# KiCad board ardumower mega shield svn.kicad_pcb (continued)
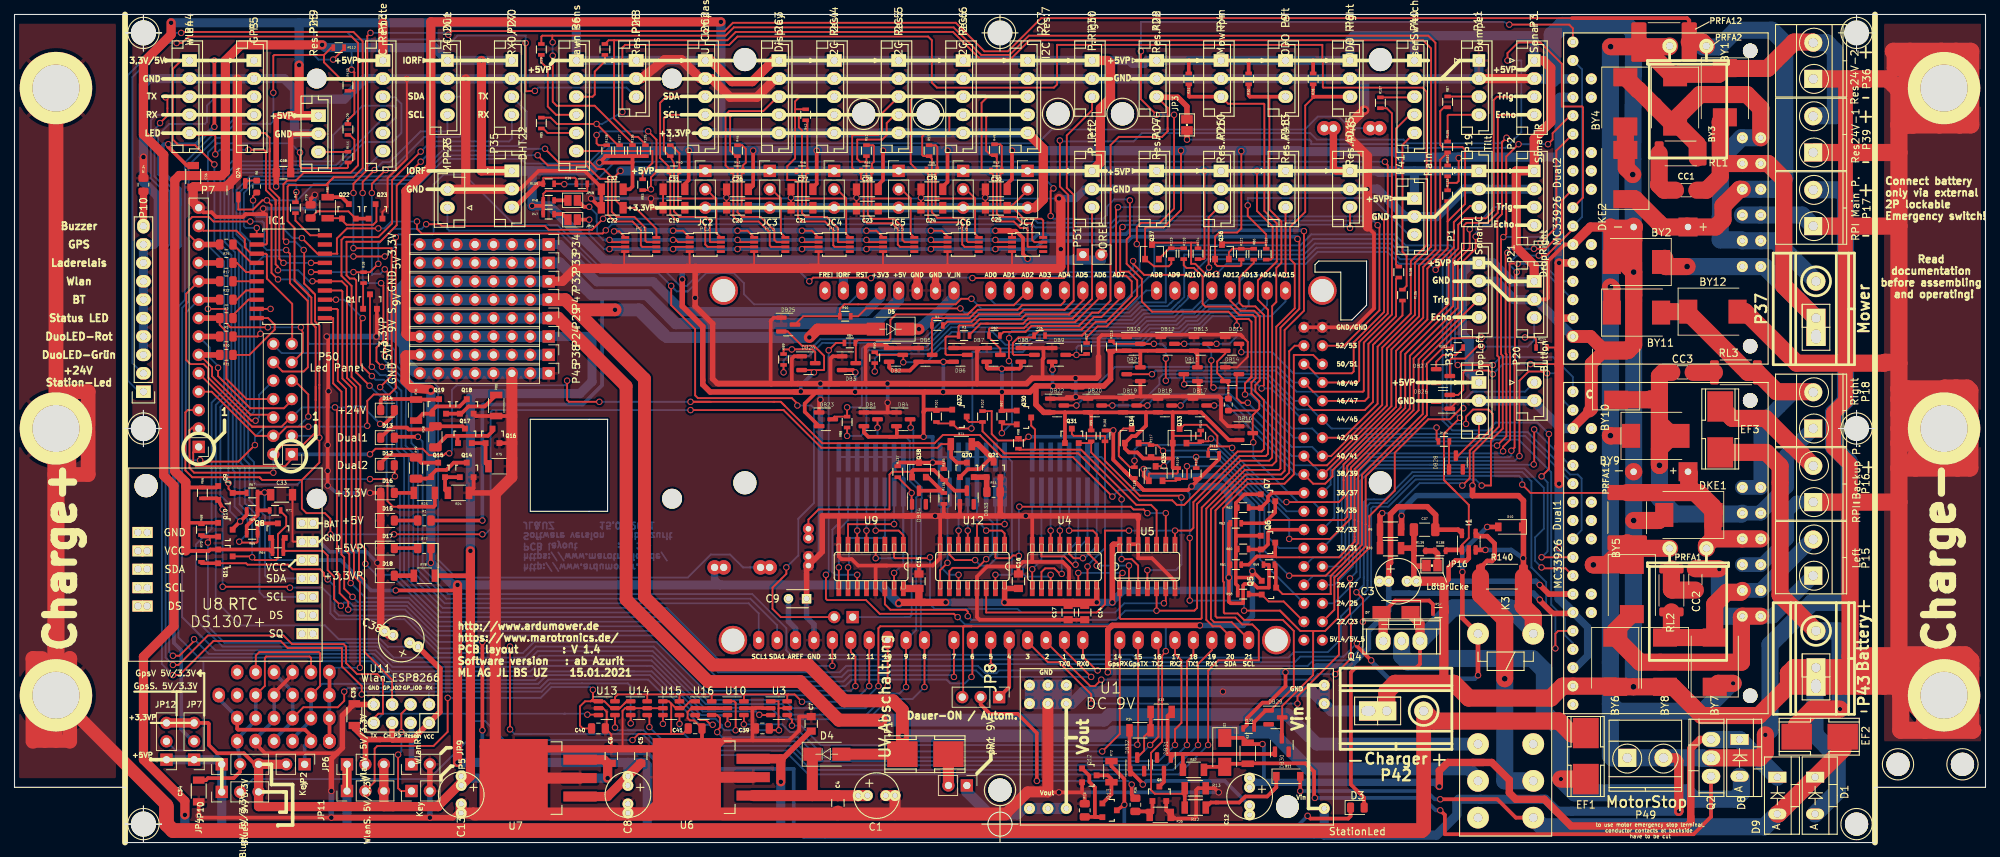
[diagram p0: board, top side]
## Routing (per net, layer and track width the routed paths; a pad name or vN(x,y) marks a point on that pad's centre or on a via; arc(x,y) is an arc through that point) (continued)
/Motortreiber/D1_M1_IN2: length 32.7
  Top w2.358: RL2.2 228.47,29.18 BY8.1 BY7.2 234.44,32.89 236.09,34.54 238,34.54 Dual1.20
  Bottom w2.032: Dual1.20 Dual1.20 247.82,41.83 P15.2
/Motortreiber/D1_M1_IN2_1: length 46
  Top w2.358: BY11.2 227.17,73.28 BY12.1 230.79,73.12 239.01,64.9 RL3.2 242.99,62.23 247.95,62.23 P18.2
  Bottom w2.032: 248.03,62.23 245.26,62.14 240.79,57.67 Dual1.24 Dual1.24
/Motortreiber/D2_M2_IN1: length 70.9
  Top w2.358: 235.2,93.73 235.2,91.95 233.3,90.04 CC1.1 ; 235.2,93.73 235.2,99.47 BY1.2 ; 235.2,93.73 Dual2.23 Dual2.23 241.81,93.73 243.97,91.57 243.97,76.84 P37.1 ; 227.56,80.64 BY2.1 227.68,79.5 v3(230.63,79.5)
  Bottom w2.358: P37.1 P37.1 241.3,79.5 Dual2.19 Dual2.19 v3(230.63,79.5)
/Motortreiber/D2_M2_IN2: length 72.1
  Top w2.358: 226.03,101.73 226.09,101.73 ; 226.09,101.73 223.9,103.91 223.84,103.91 BY4.1 ; 226.09,101.73 BY3.2 ; BY3.2 229.59,98.84 232.03,96.39 232.03,94.49 ; BY3.2 228.98,99.82 232.41,103.25 238.89,103.25 240.79,101.35 Dual2.24
  Bottom w1.778: 241.05,83.06 Dual2.20 239.01,83.06
  Bottom w2.032: 241.05,83.06 Dual2.20
  Bottom w2.358: P37.2 242.82,83.06 Dual2.20 Dual2.20 238.12,83.19 235.2,83.19 235.2,86.34 235.24,86.38 235.24,94.4 238.12,97.28 Dual2.24 Dual2.24
/Vout-: length 44
  Top w0.635: 202.18,38.23 202.18,36.74 R140.2 202.14,37.93 203.07,38.86 203.71,38.86 204.09,39.24 204.09,41.28 203.07,42.29 201.86,42.29 I1.4
  Top w2.358: R140.2 202.14,34.2 205.49,30.86 v3(205.49,22.61)
  Bottom w2.358: v3(205.49,22.61) 205.49,8.51 K3.12
Charg_Pin_+: length 409
  Top w1.778: 4.19,13.97 2.54,13.97 ; 4.19,13.97 5.71,13.97 ; 4.19,13.97 4.19,25.02 3.81,25.4 ; 5.71,13.97 7.62,13.97 ; 5.71,13.97 B11.1 5.84,20.32 20.96,5.21 20.96,4.95 ; B10.1 7.37,58.8 7.37,62.23
  Top w2.032: 2.54,13.97 2.54,25.4 3.81,25.4 ; 7.62,102.23 B9.1 B10.1 7.49,55.37 7.49,50.8 ; 20.96,4.95 20.96,2.54 21.84,1.65 194.06,1.65 194.31,1.91 P42.2 ; 7.37,62.23 10.16,62.23 10.16,50.8 7.49,50.8 ; 7.49,50.8 5.71,50.8 ; B11.1 5.71,23.5 7.62,25.4 7.62,13.97
  Top w2.358: B10.1 B11.1 ; P42.2 195.71,16.76 212.98,16.76 214.76,14.99 216.54,14.99 EF1.1
DHT22: length 11.9
  Top w0.254: R109.1 72.91,91.71 72.97,91.76 77.27,91.76 77.47,91.57 77.47,90.94 R39.2 77.34,90.93
  Top w0.635: R109.1 72.26,90.93 69.04,87.71 P35.3
DropLeft: length 6.9
  Top w0.254: 201.6,58.5 P31.3 201.93,56.26 199.06,53.39 DB28.3
DropRight: length 18.1
  Top w0.254: v1(202.31,68.45) 201.68,68.45 200.03,66.8 198.12,66.8 197.91,66.6 DB27.3
  Bottom w0.254: P21.3 209.55,69.34 208.66,68.45 v1(202.31,68.45)
Dual1: length 251.4
  Top w0.254: v1(55.63,56.01) 55.5,55.88 ; 234.19,43.69 233.68,43.18 233.3,43.18 ; PRFA11.1 222.33,48.26 209.04,48.26 v1(207.9,49.4) ; PRFA1.1 233.3,40.77
  Top w0.508: D13.2 52.5,56.01 v1(55.63,56.01)
  Top w2.358: 234.19,41.91 233.3,41.02 PRFA1.1 ; 234.19,41.91 Dual1.22 Dual1.22 ; 234.19,41.91 234.19,46.38 232.27,48.31 PRFA11.1 ; 230.89,49.12 230.89,51.05 C10.1 ; 230.89,49.12 234.41,45.59 ; 230.89,49.12 230.89,50.89 230.87,50.91
  Bottom w0.254: 187.71,46.86 187.96,46.86 ; 187.96,46.86 189.23,46.86 192.99,50.62 207.44,50.62 207.9,50.17 v1(207.9,49.4) ; 187.96,46.86 186.94,46.86 186.56,46.48 186.56,36.2 186.56,34.88 182.9,31.22 182.9,28.08 181.1,26.29 176.4,26.29 175.64,25.53 154.56,25.53 154.18,25.91 107.06,25.91 106.43,26.54 106.43,29.59 101.73,34.29 59.82,34.29 56.26,37.85 56.26,55.37 v1(55.63,56.01)
  Bottom w1.778: Dual1.22 238,41.91
Dual2: length 328.1
  Top w0.254: v1(59.82,111.51) 60.33,112.01 97.92,112.01 99.06,113.16 129.79,113.16 133.73,109.22 136.99,109.22 141.57,113.79 215.14,113.79 215.21,113.72 ; v1(49.09,111.76) 48.64,111.32 48.64,92.84 46.74,90.93 v1(46.74,89.66) ; v1(50.42,62.86) 52.01,64.45 52.01,82.04 v1(46.74,82.04) ; PRFA2.1 233.3,111 ; D12.2 52.45,51.99 v1(52.45,50.55)
  Top w0.508: 230.93,113.24 PRFA12.1 230.93,113.49 230.63,113.79 214.76,113.79
  Top w2.358: PRFA12.1 232.76,110.49 PRFA2.1 ; C11.1 230.63,85.09 ; C11.1 234.57,84.96 235.59,85.98 235.59,87.88 237.87,90.17 Dual2.22 ; C11.1 227.3,84.96 223.46,88.8 222.25,88.8
  Bottom w0.254: 243.08,90.81 242.44,90.17 Dual2.22 ; v1(59.82,111.51) 59.56,111.76 v1(49.09,111.76) ; v1(50.42,62.86) 52.07,61.21 52.07,53.85 52.45,53.47 v1(52.45,50.55) ; v1(46.74,82.04) v1(46.74,89.66)
  Bottom w2.358: 232.79,109.82 235.05,109.82 237.36,112.14 242.32,112.14 244.09,110.36 244.09,91.69 242.57,90.17 Dual2.22 ; Dual2.22 240.54,90.17
DuoLED-Rot: length 136.2
  Top w0.254: v1(129.54,22.86) SHIELD1.7 ; v1(46.36,35.81) 46.16,36 46.16,39.81 45.72,40.26 45.72,62.61 44.58,63.75 44.58,73.53 44.45,73.66 42.17,73.66 43.05,73.66
  Bottom w0.254: v1(129.54,22.86) 129.29,23.11 115.19,23.11 114.3,22.22 96.52,22.22 88.9,29.84 58.33,29.84 54.39,33.78 48.39,33.78 v1(46.36,35.81)
DuoLED_Grün: length 139.4
  Top w0.254: IC1.1 42.17,72.39 43.94,72.39 43.94,63.37 45.08,62.23 45.08,39.75 45.47,39.37 45.47,35.05 v1(46.61,33.91) ; v1(131.95,22.86) 132.08,22.99 SHIELD1.6 132.08,27.05
  Bottom w0.254: v1(46.61,33.91) 47.34,33.17 54.28,33.17 58.25,29.21 88.65,29.21 96.27,21.59 114.55,21.59 115.44,22.48 128.52,22.48 129.03,21.97 131.06,21.97 v1(131.95,22.86)
GPS-LED: length 26.4
  Top w0.254: 35.18,95.38 35.18,95.79 ; 35.18,95.38 35.18,97.28 34.51,97.95 P5.5 ; 35.18,95.38 35.18,90.3 36.51,88.96 36.51,80.58 v1(37.08,80.01) ; 42.17,80.01 v1(40.89,80.01)
  Bottom w0.254: v1(40.89,80.01) 37.34,80.01 37.08,80.26 v1(37.08,80.01)
GPS_RX: length 66.2
  Top w0.254: 155.45,27.43 SHIELD1.15 ; SHIELD1.15 154.94,13.61 v1(154.83,13.5) ; SHIELD1.15 154.94,27.43 ; v1(107.2,16.14) 107.2,16.94 U3.4
  Bottom w0.254: v1(107.2,16.14) 108.44,16.14 111.13,13.45 154.78,13.45 v1(154.83,13.5)
GPS_TX: length 70
  Top w0.254: 100.58,17.59 U10.4 100.58,16.34 v1(100.56,16.32) ; SHIELD1.14 152.4,27.43 ; SHIELD1.14 152.4,27.69 ; SHIELD1.14 152.4,14.99 v1(149.99,12.57)
  Bottom w0.254: v1(149.99,12.57) 111,12.57 108.33,15.24 106.93,15.24 105.85,16.32 v1(100.56,16.32)
  Bottom w0.508: SHIELD1.14 152.4,27.31
IOREF: length 1301.6
  Top w0.254: 119.13,90.3 119.46,90.3 ; 110.24,90.17 110.08,90.02 110.08,89.79 ; 78.98,90.67 R39.1 ; R39.1 78.98,90.54 ; R39.1 78.98,89.93 75.82,89.92 73.28,89.92 72.91,89.55 R48.1 ; 120.14,66.17 120.14,66.31 ; R115.1 163.58,56.13 159.77,56.13 159.71,56.07 Q33.1 ; R119.1 160.4,51.05 160.27,50.93 156.46,50.93 156.4,50.87 Q35.1 ; 130.68,20.07 130.81,20.19 130.81,29.72 130.94,29.84 131.95,29.84 ; 131.95,29.84 119.38,29.84 119.13,29.59 v1(119.13,21.59) ; 131.95,29.84 151.26,29.84 ; v1(169.16,95.44) 169.16,84.77 168.59,84.2 166.12,84.2 165.55,83.63 Q36.1 165.55,79.88 165.86,79.57 169.04,79.57 169.16,79.69 R121.1 ; v1(160.85,95.5) 160.85,87.31 158.43,84.9 156.02,84.9 155.9,84.78 Q37.1 157.14,79.54 159.17,79.54 159.51,79.88 R123.1 ; 46.86,103.77 46.86,100.58 45.97,99.7 R129.2 ; 46.86,103.77 46.86,106.3 v1(46.48,106.68) ; 46.86,103.77 R130.2 ; 197.61,91.06 R131.2 ; 197.61,91.06 198.88,91.06 199.14,91.31 v1(199.14,94.49) ; 197.61,91.06 R132.2 ; 101.99,83.53 101.06,84.45 v1(99.69,84.45) ; 212.66,66.23 212.47,66.04 v1(209.04,66.04) ; 212.66,66.23 212.6,66.29 ; 212.66,66.23 212.98,65.91 ; 105.28,20.45 106.68,20.45 ; 105.28,20.45 100.58,20.45 ; 105.28,20.45 105.54,20.45 ; 106.68,20.45 107.57,20.45 v1(108.58,19.43) ; 106.68,20.45 106.55,20.31 U3.6 ; R7.2 167.39,63.26 DB14.2 165.84,64.81 165.84,66.4 166.96,67.52 DB15.2 ; U16.6 96.13,20.33 96.01,20.45 ; 96.01,20.45 95.25,20.45 ; 96.01,20.45 100.58,20.45 ; 95.25,20.45 92.33,20.45 ; 95.25,20.45 94.87,20.45 ; 84.21,83.53 83.37,84.36 v1(82.67,84.36) ; 100.58,20.45 100.58,20.44 U10.6 ; 93.1,83.53 92.17,84.45 v1(90.8,84.45) ; U13.6 82.8,20.06 83.19,20.45 87.12,20.45 ; DB26.2 199.07,61.78 199.77,62.48 199.77,64.9 200.03,65.15 203.33,65.15 v1(203.84,64.64) ; DB24.2 111.57,65.22 111.63,65.28 111.63,67.18 110.24,68.58 108.58,68.58 106.61,70.55 DB25.2 ; 92.33,20.45 91.69,20.45 91.69,19.5 U15.6 ; 92.33,20.45 87.12,20.45 ; 128.66,83.53 128.66,83.68 127.89,84.45 v1(126.36,84.45) ; Dual2.3 215.01,72.26 ; 87.12,20.45 87.24,20.33 U14.6 87.25,19.5 ; 136.65,84.45 137.24,84.45 137.55,84.14 137.55,83.53 ; 212.98,68.07 212.73,68.33 R114.2 ; Dual1.15 214.76,54.61 ; 119.77,83.53 118.84,84.45 v1(117.48,84.45) ; 110.88,83.53 109.95,84.45 v1(108.58,84.45) ; 156.66,53.29 R117.1
  Top w0.48: 168.4,36.58 168.4,35.69 168.67,35.42 R58.1 ; 168.4,36.58 170.43,36.58 170.69,36.83 v1(170.69,37.47) 171.97,36.18 Q5.1 ; 168.4,36.58 168.4,39.5 ; R60.1 168.4,40.25 168.4,39.5 ; 168.4,39.5 168.4,41.53 ; 168.59,42.35 168.4,42.16 168.4,41.53 ; 168.4,41.53 168.4,45.47 ; R62.1 168.4,45.96 168.4,45.47 ; 168.4,45.47 168.4,46.86 169.61,48.07 Q7.1 ; Q8.1 35.57,41.85 R64.1 ; 23.62,44.13 Q10.1
  Top w0.508: 168.59,42.35 Q6.1 ; 118.94,90.49 119.13,90.3 ; 23.62,49.21 23.82,49.01 R66.1 27.88,49.01 Q9.1 ; R64.1 35.13,40.45 Q11.1 26.99,40.45 26.79,40.25 R70.1 23.62,40.25 ; C32.1 84.84,90.17 85.22,90.55 85.22,93.85 ; v1(137.54,95.5) 137.54,91.57 136.88,90.91 C30.1 ; v1(128.65,95.5) 128.65,91.19 127.99,90.53 C29.1 ; v1(119.76,95.5) 119.76,91.44 119.1,90.78 C28.1 ; v1(110.62,95.5) 110.62,90.93 110.08,90.4 C27.1 ; v1(101.85,95.5) 101.85,90.68 101.35,90.17 C26.1 ; v1(92.96,95.5) 92.96,91.44 92.43,90.91 C31.1 ; 85.22,93.85 v1(80.64,93.85) 81.55,94.75 R128.2 R127.2 R126.2 ; 85.22,93.85 R126.2 ; 120.65,56.01 v1(125.35,56.01) 125.35,59.31 ; 120.65,56.01 117.73,56.01 117.12,56.61 DB1.2 ; 120.65,56.01 121.67,56.01 121.67,57.42 DB4.2 ; Q30.1 136.22,59.62 R97.1 136.14,62.19 ; v1(71.37,87.88) 72.9,87.88 72.91,87.9 ; 125.35,59.31 125.35,59.56 ; 125.35,59.31 125.35,59.44 ; 136.14,62.19 136.15,62.19 v1(136.15,62.19) ; 136.14,62.19 136.14,61.21 ; R48.1 72.91,87.9 ; 72.91,87.9 R47.1 ; 125.52,62.27 126.02,62.27 ; 125.52,62.27 125.35,62.1 125.35,59.44 ; 125.52,62.27 125.44,62.19 ; DB8.2 138.76,65.61 138.56,65.41 136.78,65.41 ; 159.71,59.38 Q33.1 159.71,53.02 ; 159.71,59.38 DB18.2 156.02,59.38 ; 159.71,59.38 DB17.2 163.64,59.38 167.45,55.56 DB16.2 ; DB2.2 120.6,65.58 121.03,65.15 123.46,65.15 DB5.2 v1(128.08,66.36) DB6.2 ; R137.2 121.79,52.2 122.05,52.45 124.7,52.45 Q38.3 128,52.44 ; R99.1 148.46,59.06 148.14,59.38 DB20.2 149.41,59.38 ; R113.2 151.44,67.88 DB10.2 ; 137.24,84.45 138.05,84.45 139.06,83.44 139.06,81.22 v1(139.7,80.58) ; v1(175.26,23.5) 175.26,21.59 172.97,19.3 172.09,19.3 169.93,17.14 169.93,16.24 R133.2 ; R126.2 R125.2 ; 159.71,53.02 159.71,51.75 159.78,51.68 R119.1 ; 159.71,53.02 157.05,53.02 ; 136.78,65.41 137.81,65.41 ; 136.78,65.41 134.24,65.41 134.06,65.58 DB7.2 ; 153.1,55.13 153.1,55.05 ; 153.1,55.13 153.1,54.42 153.67,53.85 154.81,53.85 155.64,53.02 157.05,53.02 ; 153.1,55.13 153.15,55.13 ; 153.1,55.13 154.06,56.09 154.58,56.09 156.02,57.54 156.02,59.38 ; DB10.2 150.81,67.88 ; DB10.2 155.13,67.88 ; v1(126.61,52.45) 126.62,52.44 128,52.44 ; 125.35,59.44 125.66,59.75 Q32.1 ; 149.41,59.38 DB19.2 156.02,59.38 ; 149.41,59.38 144.84,59.38 ; 143.08,65.86 DB9.2 143.08,65.33 v1(143.13,65.28) ; Q35.1 155.7,50.63 v1(155.7,51.56) ; 157.05,53.02 R117.1 ; 147.35,62.77 145.83,62.77 ; DB21.2 155.24,67.77 155.13,67.88 ; v1(136.15,62.19) 136.23,62.27 ; v1(136.15,62.19) 136.08,62.27 ; R135.1 128.14,52.32 128.02,52.45 128,52.44 ; 144.84,59.38 DB22.2 ; 144.84,59.38 144.85,59.37 Q31.1 ; v1(115.95,64.9) 115.63,65.22 DB3.2 ; 155.13,67.88 DB12.2 DB13.2 ; 111,62.27 110.66,62.27 108.97,60.58 108.97,59.45 DB23.2 ; DB13.2 DB15.2 ; DB13.2 163.12,67.41 DB11.2
  Top w0.635: C37.1 199.07,43.18 I1.5
  Top w0.762: v1(163.45,29.97) 151.38,29.97 150.75,29.34 v1(150.75,23.5) ; v1(135.26,84.45) 137.24,84.45 ; v1(210.31,33.53) 210.31,33.4 212.09,31.62 214.76,31.62 Dual1.6 ; 108.43,62.27 v1(108.42,62.26) 108.36,62.21 107.5,62.21 ; 189.74,36.32 C3.1 189.48,38.35 189.74,38.61 189.74,45.34 190.75,46.36 194.82,46.36 195.96,45.21 195.96,43.23 C37.1 ; 140.84,63.02 140.84,60.45 141.92,59.38 DB22.2 ; 140.84,63.02 150.21,63.02 151.13,63.94 151.13,67.58 R113.2 ; 140.84,63.02 140,62.18 136.17,62.18 v1(136.15,62.19) v1(128.06,62.19) v1(115.92,62.19) 95.92,62.19 94.91,63.21 94.91,71.21 92.08,74.04 v1(92.08,77.72)
  Top w1.016: 212.98,72.26 213.11,72.39 Dual2.3 ; Dual2.6 v1(212.98,80.01)
  Top w1.27: v1(64.39,107.95) 64.39,92.71 P35.1 ; 23.62,40.25 23.62,49.74 22.1,51.27 22.1,91.44 22.73,92.08 22.75,92.06 28.56,92.06 29.08,92.58 29.08,107.95 31.24,110.11 v1(42.42,110.11) ; 212.98,54.61 v1(212.98,49.53) ; 212.98,54.61 v1(212.98,80.01) ; 212.98,54.61 Dual1.15
  Bottom w0.254: 214.76,102.74 Dual2.15 214.88,102.74 ; v1(169.16,95.44) 169.16,95.5 ; v1(108.58,19.43) 116.97,19.43 v1(119.13,21.59) ; v1(46.48,106.68) 46.48,109.73 ; v1(199.14,94.49) 199.14,94.62 ; v1(209.04,66.04) 205.23,66.04 v1(203.84,64.64)
  Bottom w0.508: Dual1.6 214.88,31.5 ; v1(115.92,62.19) 115.95,62.23 v1(115.95,64.9) ; v1(128.08,66.36) 128.08,62.22 v1(128.06,62.19) ; v1(136.15,62.19) 136.14,62.2 v1(136.14,65.41) ; v1(143.23,63.02) 143.13,63.12 v1(143.13,65.28) ; v1(125.35,56.01) 126.62,56.01 126.61,55.99 v1(126.61,52.45) ; v1(110.24,64.9) 108.42,63.08 v1(108.42,62.26) ; 139.7,80.39 v1(139.7,80.58)
  Bottom w0.762: 215.27,24.13 Dual1.3 ; v1(163.45,29.97) 169.42,29.97 170.69,31.24 v1(170.69,37.47) 170.69,46.48 166.56,50.61 156.65,50.61 v1(155.7,51.56) ; v1(135.26,84.45) v1(126.36,84.45) v1(117.48,84.45) v1(108.58,84.45) v1(99.69,84.45) v1(90.8,84.45) 82.76,84.45 v1(82.67,84.36) ; v1(150.75,23.5) v1(175.26,23.5) 178.69,23.5 179.58,24.38 184.28,24.38 186.69,26.8 186.69,29.21 189.48,32 189.48,34.67 ; 192.28,34.42 209.42,34.42 v1(210.31,33.53) ; 192.28,34.42 190.5,34.42 ; 192.28,34.42 189.74,34.42 189.48,34.67 ; 189.48,34.67 C3.1 ; 92.08,80.39 v1(92.08,77.72)
  Bottom w1.016: 215.27,24.13 216.92,25.78 216.92,29.72 Dual1.6
  Bottom w1.27: Dual2.15 213.11,102.87 212.98,102.74 212.98,94.62 ; 113.28,80.39 81.28,80.39 73.79,87.88 v1(71.37,87.88) 71.37,92.71 P35.1 79.5,92.71 v1(80.64,93.85) 82.3,95.5 v1(92.96,95.5) v1(101.85,95.5) v1(110.62,95.5) v1(119.76,95.5) v1(128.65,95.5) v1(137.54,95.5) v1(160.85,95.5) 177.17,95.5 177.29,95.38 190.37,95.38 191.14,94.62 212.98,94.62 ; 113.28,80.39 114.3,80.39 SHIELD1.IORE ; 113.28,80.39 138.68,80.39 ; 212.98,94.62 v1(212.98,80.01) ; 138.68,80.39 139.7,80.39 ; 138.68,80.39 145.92,80.39 ; P51.2 149.86,80.39 145.92,80.39 ; 145.92,80.39 146.56,80.39 P51.1 ; v1(212.98,49.53) v1(212.98,40.64) 212.98,33.66 Dual1.6 ; v1(42.42,110.11) 42.48,110.11 42.86,109.73 57.91,109.73 I2C1.1 v1(64.39,107.95) P27.1 ; C3.1 C3.1
Led-BT: length 69.7
  Top w0.254: v1(47.62,24.13) 47.62,35.94 46.8,36.77 46.8,40.07 46.48,40.39 46.48,62.78 45.21,64.05 45.21,76.07 45.08,76.2 IC1.4
  Top w0.508: 43.43,23.62 43.43,20.45 ; 43.43,17.27 43.43,14.1
  Bottom w0.254: 43.69,19.81 43.43,19.81 ; U2.LED 44.02,24.13 v1(47.62,24.13)
  Bottom w0.508: U2.LED U2.LED
Led-Status: length 113.3
  Top w0.254: v1(48.01,72.39) 47.75,72.01 47.75,65.91 v1(49.28,64.39) ; v1(112.78,24.38) SHIELD1.13 112.78,28.45 ; v1(44.32,74.93) IC1.3
  Bottom w0.254: v1(49.28,64.39) 49.78,63.88 50.93,63.88 52.7,62.1 52.7,54.23 53.72,53.21 53.72,36.83 58.8,31.75 89.66,31.75 97.03,24.38 v1(112.78,24.38) ; v1(44.32,74.93) 45.47,74.93 v1(48.01,72.39)
Led-Wlan: length 102.1
  Top w0.254: 36,88.71 36,88.03 ; 36,88.71 34.67,90.04 34.67,95.38 34.42,95.63 v1(32.26,95.63) ; 36,88.71 36,79.82 36.32,79.5 v1(36.32,78.99) ; v1(41.08,77.48) 41.09,77.47 IC1.5 45.13,77.47 45.85,76.75 45.85,64.13 47.12,62.86 47.12,40.77 47.5,40.39 47.5,36.96 48.26,36.2 48.26,26.29 52.07,22.48 U11.GP_2 ; P44.5 24.42,97.66 27.56,97.66 27.69,97.54 v1(27.69,95)
  Bottom w0.254: v1(32.26,95.63) 28.32,95.63 v1(27.69,95) ; v1(36.32,78.99) 39.12,78.99 40.63,77.48 v1(41.08,77.48)
pinBatteryVoltage: length 118.4
  Top w0.254: v1(111.89,36.96) 111.89,33.66 112.08,33.46 117.41,33.46 119.3,31.57 129.53,31.57 129.98,31.11 v1(130.05,31.11) ; R84.1 113.28,68.96 v1(112.27,67.95) ; R13.1 161.36,7.67 ; 158.24,13.92 158.24,25.78 v1(158.75,26.42) ; 158.24,13.92 156.72,12.39 156.72,7.24 157.23,6.73 161.04,6.73 161.36,6.4 ; 158.24,13.92 158.24,14.22
  Top w0.508: R12.2 R13.1
  Bottom w0.254: v1(130.05,31.11) 131.06,30.1 155.96,30.1 ; 156.21,30.1 155.96,30.1 ; 155.96,30.1 158.24,30.1 158.75,29.59 v1(158.75,26.42) ; 112.27,63.12 112.27,37.34 v1(111.89,36.96) ; 112.27,63.12 112.27,61.85 ; 112.27,63.12 v1(112.27,67.95)
pinBumperLeft: length 7.9
  Top w0.254: P11.4 197.73,100.45 197.61,100.33 R105.1
pinBumperRight: length 4.3
  Top w0.254: P11.3 201.9,102.98 R87.1
pinButton: length 74.8
  Top w0.254: 176.4,25.4 176.4,29.21 174.88,30.73 169.55,30.73 168.66,31.62 166.88,31.62 166.75,31.75 166.75,35.94 166.62,36.07 166.62,46.1 170.05,49.53 175.13,49.53 176.4,50.8 176.4,67.31 179.07,67.31 SHIELD1.51 179.83,66.04 ; 176.4,25.4 176.4,25.02 ; 176.4,25.4 176.4,21.46 173.16,18.22 DB29.1
  Top w0.508: R133.1 170.94,15.76 170.94,16.64 172.53,18.22 DB29.1
pinBuzzer: length 188
  Top w0.254: v1(187.96,85.22) 188.21,84.96 188.21,73.47 183.32,68.58 SHIELD1.53 ; v1(50.17,84.77) 45.85,84.77 44.45,83.38 44.45,81.34 44.51,81.28 IC1.8 41.78,81.28 v1(39.62,83.44) ; v1(32.89,88.65) 32.89,89.22 R6.1 ; v1(55.5,85.72) 55.5,84.71 56.14,84.06 81.09,84.06 v1(81.53,84.51)
  Bottom w0.254: v1(55.5,85.72) 51.94,85.72 50.99,84.77 v1(50.17,84.77) ; v1(81.53,84.51) 82.36,85.34 140.34,85.34 140.78,84.9 151.45,84.9 152.4,85.85 187.33,85.85 v1(187.96,85.22) ; v1(39.62,83.44) 38.35,83.44 35.43,86.36 33.4,86.36 32.89,86.87 v1(32.89,88.65)
pinChargeCurrent: length 142.1
  Top w0.254: 197.1,50.04 198.63,48.51 ; 197.1,50.04 200.53,46.61 ; 197.1,50.04 197.1,56.42 v1(199.31,58.62) ; v1(130.42,73.72) 117.41,73.72 116.33,72.64 R90.1 ; I1.1 199.58,41.09 200.53,42.04 200.53,46.61 ; 197.36,40.27 R138.1 ; 200.53,46.61 200.53,46.36
  Top w0.635: I1.1 197.48,40.39 R138.1
  Bottom w0.254: 198.06,63.56 198.06,81.53 197.87,81.72 191.64,81.72 190.06,83.31 179.07,83.31 177.48,81.72 158.94,81.72 158.75,81.53 158.75,74.55 155.24,74.55 ; 198.06,63.56 198.06,63.06 ; 198.06,63.56 198.06,59.88 v1(199.31,58.62) ; 155.24,74.55 155.22,74.53 ; 155.24,74.55 155.11,74.55 153.71,73.15 130.99,73.15 v1(130.42,73.72)
pinChargeVoltage: length 168.7
  Top w0.254: v1(106.05,64.9) R89.1 ; v1(199.64,49.28) 200.66,50.29 200.66,54.1 203.84,57.28 203.84,59.18 203.25,59.76 201.11,59.76 200.15,58.8 v1(200.15,57.78)
  Top w0.762: v1(188.59,45.47) 188.29,45.16 R9.2 R10.1
  Bottom w0.254: 159.47,73.53 160.49,74.55 160.54,74.55 161.29,75.3 161.29,81.15 177.8,81.15 179.32,82.68 189.8,82.68 191.33,81.15 197.36,81.15 197.49,81.03 197.49,58.42 198.12,57.78 v1(200.15,57.78) ; 159.47,73.53 160.06,74.12 ; 159.47,73.53 155.66,73.53 155.64,73.51 155.51,73.51 154.13,72.14 146.39,72.14 131.57,72.14 ; 112.65,68.96 111.89,68.96 ; 112.65,68.96 125.56,68.96 128.73,72.14 131.57,72.14 ; 112.65,68.96 111.38,68.96 109.6,67.18 106.68,67.18 106.05,66.55 v1(106.05,64.9) ; 131.57,72.14 129.79,72.14 ; v1(188.59,45.47) 189.61,45.47 193.75,49.61 199.31,49.61 v1(199.64,49.28)
pinChargingEnable: length 185.8
  Top w0.254: 42.17,78.74 v1(40.89,78.74) ; v1(46.74,78.74) 46.75,78.73 R18.1 49.01,78.73 v1(50.17,79.88) ; 78.11,84.58 77.85,84.58 ; 77.85,84.58 79.63,84.58 v1(81.15,86.11) ; 77.85,84.58 73.66,84.58 73.15,85.09 58.93,85.09 58.67,85.34 v1(56.77,85.34) ; 177.93,66.04 SHIELD1.50 178.05,66.04 179.32,64.77 184.4,64.77 184.66,65.02 184.66,69.09 184.7,69.09 188.85,73.24 188.85,85.85 188.21,86.42 v1(187.96,86.42)
  Bottom w0.254: v1(46.74,78.74) v1(40.89,78.74) ; v1(56.77,85.34) 56.13,84.71 52.2,84.71 50.17,82.68 v1(50.17,79.88) ; v1(187.96,86.42) 152.15,86.42 151.26,85.53 141.1,85.53 140.53,86.11 v1(81.15,86.11)
pinLawnBackRecv: length 14.9
  Top w0.254: R83.1 86.61,92.46 87.96,93.8 87.96,95.45 P6.6
pinLawnBackSend: length 5.1
  Top w0.254: 77.49,97.93 P6.5 73.5,97.95 72.89,98.56 R85.1
pinLawnFrontRecv: length 11.9
  Top w0.254: P6.4 74.68,100.45 73.53,101.6 73.53,106.81 72.64,107.7 R29.1
pinLawnFrontSend: length 8.7
  Top w0.254: P6.3 79.71,102.95 80.01,103.25 80.01,106.43 81.41,107.82 R54.1
pinMotorEnable: length 52.1
  Bottom w0.254: Dual1.10 216.09,43.12 216.09,50.26 215.56,50.8 214.5,50.8 208.66,56.64 203.62,56.64 203.37,56.39 186.11,56.39 181.48,51.77 181.48,49.4 SHIELD1.37
pinMotorLeftDir: length 72.2
  Bottom w0.254: Dual1.4 214.88,27.52 213.74,28.66 213.74,30.99 ; 213.74,30.99 211.9,32.83 211.9,51.12 207.39,55.62 204.04,55.62 203.79,55.37 186.53,55.37 182.5,51.34 182.5,42.8 SHIELD1.31 180.34,40.89 ; 213.74,30.99 213.74,29.34
pinMotorLeftFault: length 64.8
  Top w0.254: v1(210.57,37.97) 210.69,37.85 213.87,37.85 Dual1.8
  Bottom w0.254: 180.34,33.66 SHIELD1.25 ; SHIELD1.25 181.94,33.02 185.55,36.62 185.55,49.91 187.27,51.64 208.2,51.64 210.88,48.96 210.88,43.34 209.68,42.13 209.68,38.86 v1(210.57,37.97) ; SHIELD1.25 180.34,33.4
pinMotorLeftPWM: length 132.7
  Top w0.254: v1(185.04,34.54) 185.93,33.65 v1(185.93,30.48) ; 214.5,29.21 Dual1.5 212.85,29.21 212.47,28.83 v1(212.47,26.8) ; v1(134.62,24.38) SHIELD1.5
  Bottom w0.254: 186.06,36.41 186.06,36.7 ; 186.06,36.7 186.06,36.53 186.05,36.53 186.05,35.56 v1(185.04,34.54) ; 186.06,36.7 186.06,46.99 186.44,47.37 188.99,47.37 192.75,51.13 206.93,51.13 ; v1(185.93,30.48) 185.93,27.11 183.96,25.15 179.07,25.15 178.31,24.38 153.67,24.38 153.42,24.64 134.87,24.64 v1(134.62,24.38) ; 209.17,37.97 211.2,35.94 211.2,32.51 212.47,31.24 v1(212.47,26.8) ; 209.17,37.97 209.23,37.91 ; 209.17,37.97 209.17,49.86 207.9,51.13 206.93,51.13 ; 206.93,51.13 207.57,51.13
pinMotorLeftSense: length 128
  Top w0.254: 137.03,76.07 SHIELD1.AD1 137.16,75.82 ; v1(211.58,56.39) 211.58,51.56 v1(210.57,50.55) ; Dual1.9 v1(210.57,39.37) ; v1(154.24,80.26) 154.24,79.88 155.77,78.36 v1(162.31,78.36)
  Bottom w0.254: SHIELD1.AD1 137.16,77.6 138.3,78.74 153.67,78.74 154.24,79.31 v1(154.24,80.26) ; 199.39,56.9 199.77,56.9 ; 199.77,56.9 198.25,56.9 196.91,58.23 196.91,80.39 196.79,80.52 191.07,80.52 189.48,82.11 179.51,82.11 177.93,80.52 164.47,80.52 v1(162.31,78.36) ; 199.77,56.9 203.16,56.9 204.24,57.98 209.99,57.98 v1(211.58,56.39) ; v1(210.57,50.55) 211.39,49.72 211.39,40.2 v1(210.57,39.37)
pinMotorMowDir: length 99
  Top w0.254: 215.39,97.79 Dual2.13 212.6,95.5 212.6,84.94 v1(210.44,82.78) ; v1(205.26,54.01) 205.26,54.64 206.23,55.6 206.23,67.6 206.16,67.66 206.16,79.93 207.22,79.93 v1(207.26,79.88)
  Bottom w0.254: v1(207.26,79.88) 209.93,79.88 211.26,78.55 ; 211.26,78.55 Dual2.4 ; 211.26,78.55 211.01,78.8 211.01,82.21 v1(210.44,82.78) ; SHIELD1.29 182.88,38.1 183.52,38.74 183.52,50.92 186.31,53.72 204.97,53.72 v1(205.26,54.01) ; SHIELD1.29 180.85,38.1 ; SHIELD1.29 181.1,38.1
pinMotorMowEnable: length 83.9
  Top w0.254: 214.38,90.17 Dual2.10 213.36,88.65 213.36,84.2 211.12,81.96 v1(209.52,81.96) ; v1(205.87,81.41) 205.61,81.15 205.61,67.49 205.72,67.38 205.72,56.08 v1(204.43,54.8)
  Bottom w0.254: v1(209.52,81.96) 206.33,81.96 205.99,81.62 v1(205.87,81.41) ; 177.42,38.1 SHIELD1.28 179.07,39.37 183.01,39.37 183.01,39.37 183.01,51.13 186.67,54.8 v1(204.43,54.8)
pinMotorMowFault: length 105.8
  Top w0.254: 214.95,107.95 Dual2.17 ; v1(206.4,54.08) 206.85,54.53 206.85,65.95 ; 206.85,66.13 206.85,65.95 ; 206.85,65.95 206.88,65.99 206.88,78.49 v1(207.14,78.74) ; v1(210.19,81.03) 210.21,81 211.22,81 214.88,84.67 Dual2.8
  Bottom w0.254: Dual2.17 214.93,107.95 216.15,106.73 216.15,86.36 Dual2.8 ; v1(207.14,78.74) 206.12,79.76 206.12,80.01 207.14,81.03 v1(210.19,81.03) ; 177.8,35.69 SHIELD1.26 179.07,36.83 182.37,36.83 184.02,38.48 184.02,50.59 186.62,53.18 206.13,53.18 206.4,53.45 v1(206.4,54.08)
pinMotorMowPWM: length 160.4
  Top w0.254: v1(149.86,22.48) 148.97,21.59 148.34,21.59 142.24,27.69 SHIELD1.2 ; v1(211.46,96.39) 212.09,97.03 212.09,97.92 214.5,100.33 Dual2.14 ; 204.98,68.47 204.98,68.07 ; 204.98,68.07 204.98,83.26 v1(205.3,83.58) 205.7,83.98 205.7,94.7 v1(207.39,96.39) ; 204.98,68.07 204.98,67.41 205.21,67.17 205.21,57.13 203.58,55.5 203.58,49.28 v1(202.31,49.28) ; v1(184.28,30.48) 184.28,25.4 v1(182.12,23.24)
  Bottom w0.254: 215.01,77.34 Dual2.5 ; Dual2.5 214.88,77.6 ; Dual2.5 213.17,77.47 211.52,79.12 211.52,82.92 210.84,83.61 205.32,83.61 v1(205.3,83.58) ; v1(211.46,96.39) v1(207.39,96.39) ; v1(202.31,49.28) 201.47,50.11 193.2,50.11 189.44,46.35 187.32,46.35 187.07,46.1 187.07,35.99 187.07,35.99 187.07,34.29 184.28,31.5 v1(184.28,30.48) ; v1(182.12,23.24) 179.71,23.24 178.94,22.48 v1(149.86,22.48)
pinMotorMowRpm_neu: length 52.1
  Top w0.254: v1(136.14,56.52) R97.2 136.14,57.91 136.33,57.72 Q30.2 ; v1(137.12,66.46) 137.12,69.58 v1(137.15,69.61)
  Bottom w0.254: v1(137.15,69.61) 137.15,70.22 137.54,70.61 ; 162.69,73.02 165.1,75.44 SHIELD1.AD11 165.1,75.06 ; 162.69,73.02 163.58,73.91 ; 162.69,73.02 162.69,73.03 161.12,73.03 160.1,72.01 156.29,72.01 156.27,71.99 156.14,71.99 154.77,70.61 137.54,70.61 ; v1(136.14,56.52) 137.54,57.91 137.54,66.04 v1(137.12,66.46) ; 137.54,70.61 138.05,70.61
pinMotorMowSense: length 119.1
  Top w0.254: v1(157.48,100.46) 155.32,102.62 v1(155.32,109.22) ; v1(159.89,100.46) 159.89,87.5 157.92,85.53 155.32,85.53 154.75,84.96 v1(154.75,82.61) ; 214.88,110.85 Dual2.18 214.88,112.4 214.38,112.9 v1(206.12,112.9) ; SHIELD1.AD3 142.24,75.82
  Bottom w0.254: v1(159.89,100.46) v1(157.48,100.46) ; v1(206.12,112.9) 205.38,113.28 155.32,113.28 v1(155.32,109.22) ; v1(154.75,82.61) 155.13,82.23 155.13,79.18 154.05,78.11 142.88,78.11 142.24,77.47 SHIELD1.AD3 ; Dual2.18 214.88,111